# Altium PCB M5_Display.PcbDoc (part 2 of 2) (continued)
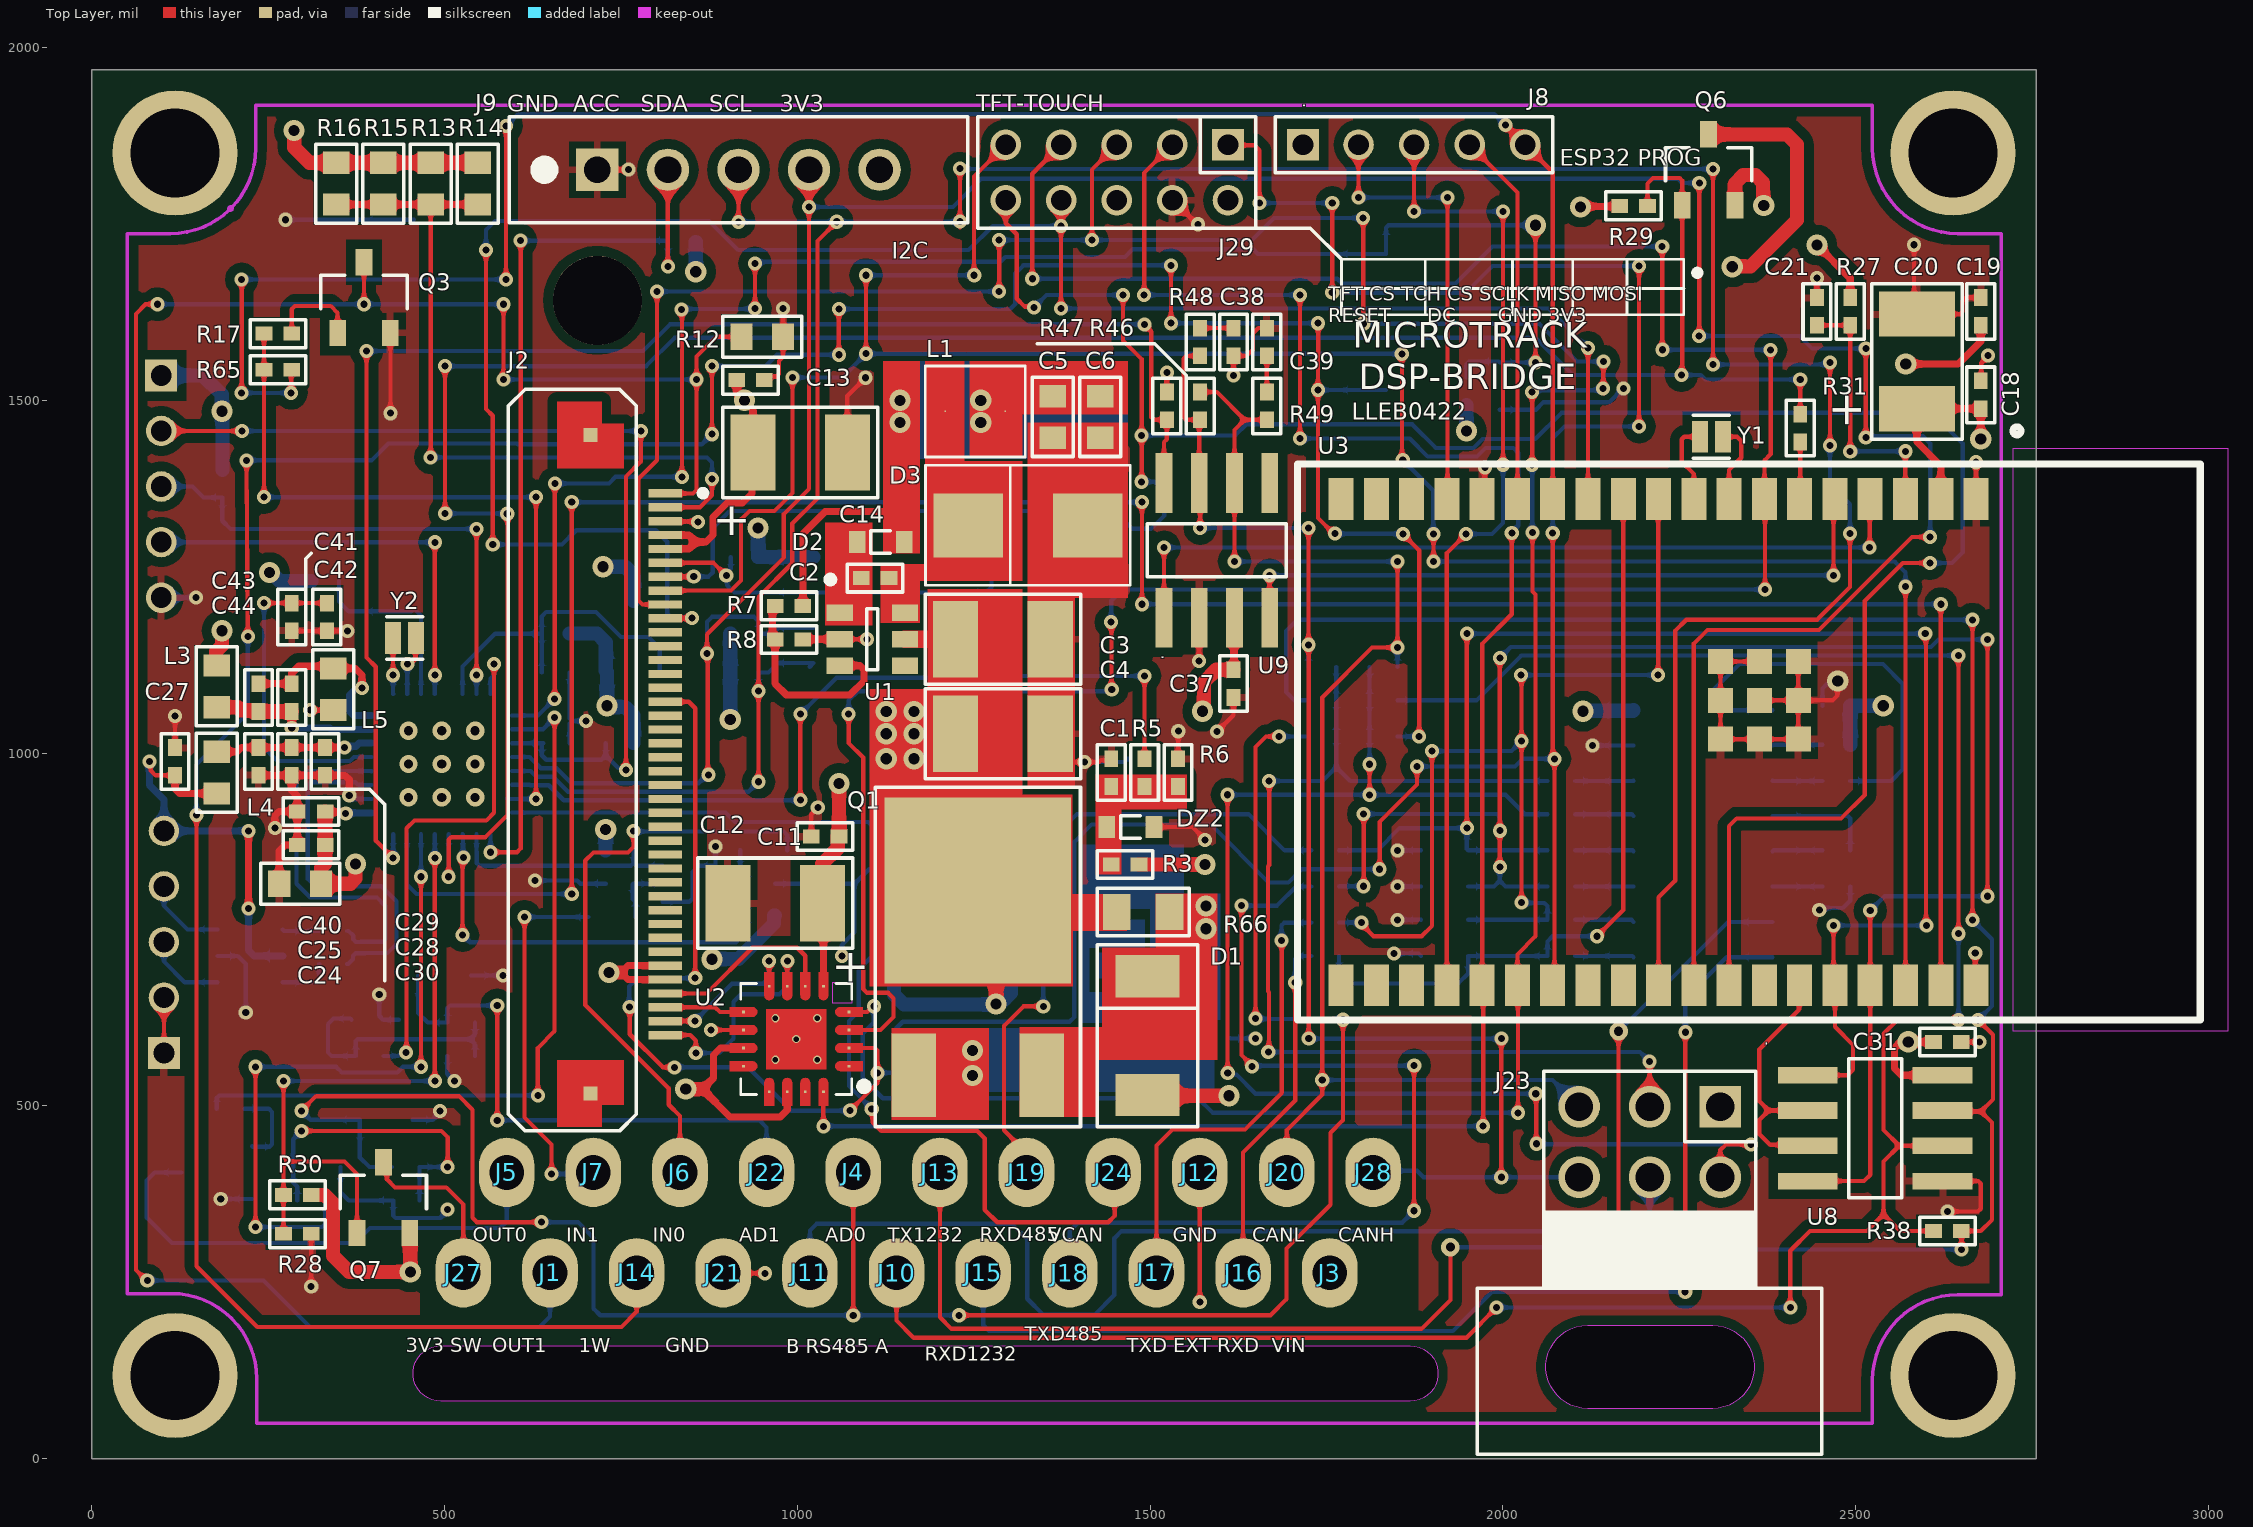
[diagram p0: Top Layer view]
## Nets (pads, with @x,y where several pads share a name; then routed paths per layer and width w, separated by ;. In a path a pad name is that pad's centre, name@x,y a point inside that pad or via, vN(x,y) a via of type N, cw(c..) or ccw(c..) an arc to the next point about the centre after c; other vN are vias at no path point) (continued)
  Bottom Layer w6: R53.2@2102.36,913.39 2182.48,913.39 U7.13@2185.04,910.83
RXD1_232: J15.1 U7.8 | length 1660.1
  Top Layer w6: v1(2258.24,236.66) 2258.34,236.76 2258.34,604.32 v1(2258.45,604.42)
  Bottom Layer w6: J15.1@1263.37,264.82 J15.1@1263.37,263.58 1263.37,189.39 1271.65,181.1 1928.97,181.1 1984.53,236.66 v1(2258.24,236.66) ; v1(2258.45,604.42) 2258.45,652.15 2317.13,710.83 U7.8@2381.89,710.83
RXD485_EXT: J19.1 R43.1 | length 942
  Top Layer w6: J19.1@1324.78,405.82 1324.78,433.45 1292.7,465.52 1292.7,613.55 1320.33,641.17 1348.25,641.17 v1(1348.54,640.88)
  Bottom Layer w6: J19.1@1322.71,401.46 J19.1@1326.22,397.95 ; J19.1@1322.71,407.89 J19.1@1324.78,405.82 ; v1(1348.54,640.88) 1348.54,865.78 1396.26,913.5 1639.3,913.5 1690.6,862.2 R43.1@1728.35,862.2
RXD_485: DZ7.2 R37.1 R43.2 U3.34 U8.1 | length 2097.2
  Top Layer w6: v1(1948.82,893.7) v1(1948.82,1169.29) v1@1948.82,1173.23 ; U8.1@2432.09,543.5 2488.39,543.5 2496.06,551.18 2496.06,586.61 2470.47,612.2 U3.34@2470.47,671.26 2468.5,673.23 v1(2468.5,755.91) ; v1(2598.43,1169.29) 2599.34,1168.38 2599.34,756.82 v1(2600.26,755.91)
  Bottom Layer w6: R43.2@1767.72,862.2 1821.98,862.2 1853.48,893.7 v1(1948.82,893.7) 1948.82,864.17 DZ7.2@1950.79,862.2 R37.1@2062.99,862.2 ; v1(1948.82,1169.29) v1(2598.43,1169.29) ; v1(2468.5,755.91) 2506.08,755.91 2506.32,755.67 2549.93,755.67 2550.17,755.91 v1(2600.26,755.91)
RXD_EXT: J16.1 R45.1 | length 500.1
  Top Layer w6: J16.1@1631.7,263.58 1631.7,433.9 1705.56,507.77 v1(1705.56,674.82)
  Bottom Layer w6: v1(1705.56,674.82) 1705.41,674.98 1705.41,708.37 1709.63,712.6 R45.1@1728.35,712.6
RXD_TTL1: DZ9.2 R41.1 R45.2 U3.11 | length 1087.5
  Top Layer w6: v1(2133.31,740.46) 2170.47,777.63 U3.11@2170.47,1360.24
  Bottom Layer w6: R45.2@1767.72,712.6 1767.72,684.8 1778.98,673.54 1936.46,673.54 1950.79,687.86 DZ9.2@1950.79,712.6 R41.1@2062.99,712.6 2062.99,733.14 2070.32,740.46 v1(2133.31,740.46)
SERIE_A: J23.2 R50.1 R51.1 R53.1 R54.1 | length 1950.1
  Top Layer w6: v1(1609.61,941) 1609.76,940.84 1609.76,547.02 v1(1609.92,546.86) ; v1(1811.02,940.94) v1(1811.02,984.25) ; v1(2046.45,517.25) 2047.05,516.65 2047.05,447.01 v1(2047.65,446.41) ; J23.2@2307.91,399 2307.91,437.42 2315.95,445.46 2351.27,445.46 v1(2351.49,445.24)
  Bottom Layer w6: v1(1609.61,941) 1609.68,940.93 v1(1811.02,940.94) ; v1(1609.92,546.86) 1612.46,544.32 1622.25,544.32 1649.31,517.27 v1(2046.45,517.25) ; v1(1811.02,940.94) 2003.7,940.94 2031.26,913.39 R53.1@2062.99,913.39 ; v1(1811.02,984.25) R54.1@1811.02,1023.62 R50.1@1811.02,1074.8 R51.1@1811.02,1122.05 ; v1(2047.65,446.41) 2048.24,445.83 2350.91,445.83 v1(2351.49,445.24)
SERIE_B: J23.3 R56.1 R58.1 R59.1 R60.1 | length 1548.8
  Top Layer w6: v1(1667.39,576.32) 1668.37,577.29 1668.37,661.22 1667.09,662.5 1667.09,839.75 1668.84,841.49 1668.84,960.06 v1(1668.37,960.53) ; J23.3@2207.91,499 v1(2207.91,562.99)
  Bottom Layer w6: v1(1667.39,576.32) 2194.36,576.32 2207.69,562.99 v1(2207.91,562.99) ; v1(1668.37,960.53) 1668.47,960.63 1744.09,960.63 1763.78,980.31 ; R58.1@1763.78,1122.05 R56.1@1763.78,1074.8 R60.1@1763.78,1023.62 1763.78,980.31 ; R59.1@2062.99,960.63 1783.46,960.63 1763.78,980.31
STMPE_CS: J29.7 U2.3 U3.7 | length 3769.6
  Top Layer w6: v1(1072.73,1055.6) 1072.73,1014.34 1093.36,993.71 1093.36,665.56 1098.63,660.29 1128.78,660.29 1136.38,652.69 1136.38,625.97 1118.01,607.59 U2.3@1073.27,607.59 ; v1(1332.95,1672.28) 1332.95,1821.14 J29.7@1374.02,1862.2 ; v1@1444.88,1185.52 1445.16,1185.25 1445.16,1090.35 v1(1445.56,1089.94) ; v1(2225.81,1571.67) v1@2225.81,1717.87 ; v1(2371.47,1231.85) 2371.47,1359.24 U3.7@2370.47,1360.24 2370.47,1414.97 2379.46,1423.95 v1@2379.46,1571.53
  Bottom Layer w6: v1(1072.73,1055.6) 1072.73,1074.61 1085.86,1087.74 1443.36,1087.74 v1(1445.56,1089.94) ; v1(1332.95,1672.28) 1765.23,1672.28 1771.89,1665.62 1932.73,1665.62 1985.11,1718 v1(2225.68,1718) ; v1(1444.75,1185.66) 1444.75,1216.01 1460.59,1231.85 v1(2371.47,1231.85) ; v1@2225.94,1571.53 v1(2379.32,1571.53)
TCK: J26.4 U4.12 | length 602.8
  Top Layer w6: v1(486.22,1110.42) v1(486.22,1298.82)
  Bottom Layer w6: J26.4@98.43,1299.13 98.58,1298.97 486.07,1298.97 v1(486.22,1298.82) ; U4.12@486.22,1083.99 v1(486.22,1110.42)
TFT_CS: J2.8 J29.9 U3.36 | length 3371.3
  Top Layer w6: J2.8@812.99,1230.31 905.99,1230.31 920.14,1244.47 920.14,1331.3 932.05,1343.2 967.67,1343.2 993.19,1368.73 v1@993.19,1532.13 ; v1(1097.24,1677.26) 1097.37,1677.13 v1(1097.37,1566.05) ; v1(1250.63,1677.26) 1250.33,1677.56 1250.33,1817.26 J29.9@1295.28,1862.2 ; v1@1856.73,1565.92 1856.73,1416.37 v1(1857.93,1415.17) ; v1(1901.47,1271.63) v1@1901.47,1310.19 ; U3.36@2570.47,671.26 v1@2570.47,1235.73
  Bottom Layer w6: v1(993.06,1532.26) 1063.59,1532.26 v1(1097.37,1566.05) ; v1(1097.24,1677.26) v1(1250.63,1677.26) ; v1@1097.51,1565.92 1852.66,1565.92 v1@1856.6,1561.98 ; v1@1858.06,1415.04 1901.34,1371.76 v1(1901.34,1310.67) ; v1(1901.47,1271.63) 1901.61,1271.49 2555.07,1271.49 2570.34,1256.23 v1(2570.34,1235.86)
  other v1: 1856.6,1565.92
TFT_DC: J2.10 J29.8 U3.12 | length 2878.7
  Top Layer w6: v1@558.84,1712.93 558.84,1487.71 568.31,1478.23 v1(568.31,1295.65) ; J2.10@812.99,1190.94 813.28,1191.23 850.48,1191.23 v1(850.77,1191.52) ; v1(1373.47,1630.23) 1373.74,1630.5 1373.74,1783.19 J29.8@1374.02,1783.46 ; U3.12@2120.47,1360.24 v1(2120.47,1574.08)
  Bottom Layer w6: v1(558.7,1713.06) 558.7,1741.63 571.39,1754.32 874.73,1754.32 916.12,1712.93 1242.71,1712.93 1276.82,1747.04 v1(1373.61,1747.04) ; v1(568.31,1295.65) 666.33,1295.65 686.57,1315.89 799.23,1315.89 815.65,1299.47 815.65,1197.88 822.01,1191.52 v1(850.77,1191.52) ; v1(1373.47,1630.23) 2064.33,1630.23 v1(2120.47,1574.08)
TFT_MISO: J29.3 U2.16 U3.24 | length 2941.6
  Top Layer w6: U2.16@1036.85,519.99 1036.85,471.41 v1(1037.1,471.17) ; v1(1491.49,1649.36) 1491.49,1822.2 J29.3@1531.5,1862.2 ; v1(1712.32,1445.75) v1(1712.32,1649.36) ; v1(1971.92,471.29) 1971.92,669.81 U3.24@1970.47,671.26 1970.47,1154.87 2012.5,1196.89 v1(2012.5,1311.89)
  Bottom Layer w6: v1(1037.1,471.17) 1037.22,471.29 v1(1971.92,471.29) ; v1(1491.49,1649.36) v1(1712.32,1649.36) ; v1(1712.32,1445.75) 1867.96,1445.75 1893.28,1420.43 1963.26,1420.43 1975.42,1432.59 2014.68,1432.59 2021.64,1425.63 2021.64,1322.4 2012.5,1313.25 v1(2012.5,1311.89)
TFT_MOSI: J2.16 J29.1 U2.2 U3.26 | length 4487.8
  Top Layer w6: v1(762.39,639.97) 762.39,601.69 809.34,554.74 v1(825.82,554.74) ; J2.16@812.99,1072.83 846.06,1072.83 855.22,1063.68 v1(855.22,681.08) ; U2.2@1073.27,582 1110.09,582 1113.61,578.49 v1(1113.61,546.92) 1113.39,546.7 1113.39,532.27 v1(1074.45,493.34) ; J29.1@1610.24,1862.2 1610.91,1861.53 1647.72,1861.53 1654.86,1854.39 v1(1654.86,1779.61) ; v1(1758.05,1652.59) v1(1758.05,1779.61) ; v1(1825.22,835.47) 1825.22,902.51 1878.14,955.43 v1(1878.14,981.17) ; U3.26@2070.47,671.26 2072.89,673.68 v1(2072.89,991.89) ; v1@2070.47,991.89 v1(2070.47,1311.89) ; v1@2192.92,1460.17 v1(2192.92,1463.02) v1(2192.92,1690.29)
  Bottom Layer w6: v1(762.39,639.97) 761.6,640.76 761.6,669.1 773.59,681.08 v1(855.22,681.08) ; v1(825.82,554.74) 929.88,554.74 991.29,493.34 v1(1074.45,493.34) ; v1(1113.61,546.92) 1134.72,546.92 1140.08,552.28 1140.08,610.05 1149.32,619.29 1385.69,619.29 1392.57,626.17 1392.57,874.25 1417.09,898.76 1586,898.76 1667.92,816.84 1695.84,816.84 1714.47,835.47 v1(1825.22,835.47) ; v1(1654.86,1779.61) v1(1758.05,1779.61) ; v1(1758.05,1652.59) 1947.58,1652.59 1985.28,1690.29 v1(2192.92,1690.29) ; v1(1878.14,981.17) 2017.17,981.17 2027.89,991.89 v1(2072.89,991.89) 2070.47,994.31 v1@2070.47,999.76 ; v1(2070.47,1311.89) 2070.47,1446.46 2087.03,1463.02 v1(2192.92,1463.02)
TFT_RESET: J2.7 J29.10 U3.31 | length 3716.8
  Top Layer w6: J2.7@812.99,1250 v1@853.31,1250 ; J29.10@1295.28,1783.46 1295.28,1750.92 1310.85,1735.35 1310.85,1644.01 1321.88,1632.98 1334.27,1632.98 v1(1335.51,1631.74) ; v1(1461.67,1649.36) 1461.67,1584.86 1487.97,1558.55 v1(1487.97,1384.54) ; U3.31@2320.47,671.26 2320.47,896.52 2331.16,907.21 2479.2,907.21 2512.75,940.76 2512.75,1215.55 2566.55,1269.36 v1(2605.37,1269.36)
  Bottom Layer w6: v1(853.18,1250.13) 874.2,1250.13 880.17,1256.11 880.17,1319.23 904.15,1343.2 1449.75,1343.2 1475.09,1317.87 1501.06,1317.87 1520.1,1336.9 1520.1,1370.82 1506.38,1384.54 v1(1487.97,1384.54) ; v1(1335.51,1631.74) 1353,1649.23 v1@1465.74,1649.23 ; v1(1487.84,1450) 1620.46,1450 1636.48,1466.01 1871.27,1466.01 1904.86,1432.43 1958.28,1432.43 1970.98,1445.12 2045.66,1445.12 2082.8,1482.26 2608.06,1482.26 2651.46,1438.86 2651.46,1284.4 2636.41,1269.36 v1(2605.37,1269.36)
TFT_SCLK: J2.9 J29.5 U2.4 U3.25 | length 4520.1
  Top Layer w6: v1(801.06,1654.19) 801.06,1415.1 774.73,1388.77 774.73,1216.53 780.63,1210.63 J2.9@812.99,1210.63 ; U2.4@1073.27,633.18 1098.99,633.18 1107.1,641.29 v1(1108.35,641.29) ; v1@1286.04,1654.19 v1(1286.04,1726.97) ; v1(1417.45,1727.06) 1417.45,1826.9 J29.5@1452.76,1862.2 ; v1@1801.96,1604.57 v1(1801.96,1608.51) v1@1801.96,1758.35 ; v1(2021.13,490.3) 2021.13,670.61 U3.25@2020.47,671.26 2020.47,714.8 2046.27,740.59 2046.27,1224.75 2041.88,1229.13 v1(2041.88,1312.74) ; v1(2041.35,1408.73) v1@2041.35,1511.78 ; v1(2141.81,1516.85) 2142.27,1517.31 2142.27,1554.39 v1(2142.73,1554.85) ; v1@2142.75,1509.79 v1@2142.75,1516.85
  Bottom Layer w6: v1(801.06,1654.19) v1@1286.04,1654.19 ; v1(1108.35,641.29) 1108.35,618.2 1092.69,602.55 1092.69,539.3 1121,510.99 1568.04,510.99 1588.55,490.48 2020.95,490.48 v1(2021.13,490.3) ; v1@1286.39,1727.06 v1(1417.45,1727.06) 1644.09,1727.06 1675.39,1758.35 v1(1801.83,1758.35) ; v1@1802.1,1608.38 2051.51,1608.38 2105.04,1554.85 v1(2142.73,1554.85) ; v1(2041.22,1511.78) 2043.75,1514.32 2139.27,1514.32 v1(2141.81,1516.85) ; v1(2041.35,1408.73) 2041.61,1408.46 2041.61,1313 v1(2041.88,1312.74)
  other v1: 1285.9,1654.33
TMS: J26.3 R63.1 U4.15 | length 724.8
  Top Layer w6: v1(545.28,1110.42) v1(545.28,1317.82)
  Bottom Layer w6: J26.3@98.43,1377.87 142.8,1377.87 158.46,1362.2 R63.1@185.04,1362.2 185.04,1329.33 196.55,1317.82 v1(545.28,1317.82) ; U4.15@545.28,1083.99 v1(545.28,1110.42)
TXCAN0: U3.4 U9.1 | length 1172.6
  Top Layer w6: U9.1@1519.49,1191.93 v1@1519.49,1291.34 ; v1@2519.69,1287.4 v1(2519.69,1291.34) 2519.69,1359.45 U3.4@2520.47,1360.24
  Bottom Layer w6: v1(1519.69,1291.34) v1(2519.69,1291.34)
TXD0_232: R59.2 U7.14 | length 82.8
  Bottom Layer w6: R59.2@2102.36,960.63 2184.84,960.63 U7.14@2185.04,960.83
TXD1_232: J13.1 U7.7 | length 1854
  Top Layer w6: J13.1@1202.02,405.82 1202.02,200.54 1218.48,184.08 1884.67,184.08 1925.5,224.91 v5(1925.5,299.92) ; v5(2163.86,299.89) v5(2163.86,605.73)
  Bottom Layer w6: v5(1925.5,299.92) v5(2163.86,299.89) ; v5(2163.86,605.73) 2163.93,605.73 2319.03,760.83 U7.7@2381.89,760.83
TXD485_EXT: J18.1 R42.1 | length 1339.9
  Top Layer w6: v1(1629.51,783.87) 1629.51,572.21 1644.1,557.62 v1(1644.1,555.69) ; v1@1873.98,557.24 1873.98,351.51 v1(1874.04,351.46)
  Bottom Layer w6: J18.1@1386.15,263.58 1386.15,323.03 1397.66,334.55 1857.12,334.55 v1(1874.04,351.46) ; v1(1629.51,783.87) 1679.84,783.87 1706.99,811.02 R42.1@1728.35,811.02 ; v1(1644.1,555.69) 1645.54,557.12 1874.07,557.12 v1(1874.19,557.24)
TXD_485: DZ8.2 R39.2 R42.2 U3.35 U8.4 | length 2491.2
  Top Layer w6: v1(1802.6,811.33) v1@1802.6,911.88 ; v1(1995.52,838.89) v1(1995.52,890.07) v1(1995.52,1134.75) ; U8.4@2432.09,393.5 2511.61,393.5 2520.47,402.36 U3.35@2520.47,671.26 v1(2520.47,776.85) ; v1(2686.56,797.19) v1(2686.56,1161.04)
  Bottom Layer w6: R42.2@1767.72,811.02 1768.02,811.33 v1(1802.6,811.33) ; v1(1802.6,913.69) 1991.58,913.69 1995.52,909.76 v1(1995.52,890.07) ; DZ8.2@1950.79,811.02 1987.33,811.02 1995.52,819.21 ; v1(1995.52,838.89) 1995.52,819.21 ; v1(1995.52,1134.75) 2011.06,1150.29 2572.81,1150.29 2606.61,1150.29 2617.36,1161.04 v1(2686.56,1161.04) ; R39.2@2062.99,811.02 2003.7,811.02 1995.52,819.21 ; v1(2520.47,776.85) 2540.81,797.19 v1(2686.56,797.19)
TXD_EXT: J17.1 R44.1 | length 682.8
  Top Layer w6: J17.1@1508.94,263.58 1508.94,444.04 1531.42,466.51 1634.31,466.51 1686.39,518.59 v1(1686.39,734.66)
  Bottom Layer w6: J17.1@1508.94,263.58 J17.1@1517.79,272.43 ; v1(1686.39,734.66) 1686.09,734.95 1686.09,755.99 1689.61,759.51 1727.66,759.51 1728.17,760.02 R44.1@1728.35,759.84
TXD_TTL1: DZ10.2 R40.1 R44.2 U3.10 | length 1464.7
  Top Layer w6: v1@1799.74,757.3 1816.53,740.5 1884.73,740.5 1899.48,755.26 v1(1899.48,1002.85) ; v1(2025.76,1110.54) 2026.39,1109.92 v1(2026.39,1017.18) v1(2026.39,788.33) ; v1(2219.93,1110.54) 2219.93,1359.69 U3.10@2220.47,1360.24
  Bottom Layer w6: R44.2@1767.72,759.84 v1(1799.74,759.84) ; v1@1897.71,1004.62 v1(1899.48,1002.85) 2012.06,1002.85 v1(2026.39,1017.18) ; DZ10.2@1950.79,763.78 R40.1@2062.99,763.78 2062.99,783.22 2058.51,787.71 2027.01,787.71 v1(2026.39,788.33) ; v1(2025.76,1110.54) v1(2219.93,1110.54)
USB_D_MCU_N: D5.3 J25.4 | length 117.2
  Bottom Layer w6: J25.4@102.36,811.02 102.36,783.46 135.83,750 D5.3@178.15,750
USB_D_MCU_P: D5.1 J25.3 | length 115.6
  Bottom Layer w6: J25.3@102.36,732.28 102.36,704.72 131.89,675.2 D5.1@178.15,675.2
USB_MCU_N: R61.2 U4.4 | length 509.7
  Bottom Layer w6: R61.2@362.2,748.03 363.92,748.03 370.76,741.19 370.76,735.96 374.28,732.45 381.08,732.45 381.19,732.56 412.55,732.56 416.06,736.08 416.06,783.46 404.2,795.32 309.75,795.32 290.26,814.81 290.26,961.52 303.47,974.73 396.33,974.73 U4.4@396.65,974.41
USB_MCU_P: R36.2 U4.3 | length 511.6
  Bottom Layer w6: R36.2@361.66,701.09 363.6,701.09 370.44,707.94 370.44,712.93 373.96,716.45 387.7,716.45 387.82,716.56 419.17,716.56 432.06,729.45 432.06,790.08 410.83,811.32 316.38,811.32 306.26,821.44 306.26,954.89 310.1,958.73 373.66,958.73 377.67,954.72 U4.3@396.65,954.72
V_USB_FILTRADA_MCU: C28.1 C29.1 C30.1 L4.2 U4.6 | length 224.8
  Top Layer w10: L4.2@177.17,1001.97 205.84,1001.97 212.05,1008.18 235.91,1008.18 C28.1@236.22,1007.87 C29.1@283.46,1007.87 C30.1@330.71,1007.87 v1(358.12,1007.87)
  Bottom Layer w10: v1(358.12,1007.87) 360.04,1009.79 374.56,1009.79 378.88,1014.1 U4.6@396.65,1014.1
V_USB_MCU: C27.1 D5.5 J25.5 L4.1 | length 580.9
  Top Layer w6: v1(81.59,988.19) 83.66,986.12 83.66,975.39 90.55,968.5 116.14,968.5 C27.1@118.11,966.54 ; L4.1@175.41,941.16 L4.1@177.17,942.91
  Top Layer w10: C27.1@118.11,966.54 118.11,949.55 124.75,942.91 L4.1@177.17,942.91 ; v1(222.26,779.92) v1(222.26,889.76)
  Bottom Layer w10: v1(81.59,988.19) 81.59,954.69 102.36,933.92 J25.5@102.36,889.76 v1(222.26,889.76) ; v1(222.26,779.92) 222.26,720.55 230.22,712.6 D5.5@270.67,712.6
VCC_CAN: J24.1 Q8.2 | length 905.9
  Top Layer w6: v1(1105.4,495.93) 1106.67,494.66 1106.67,476.93 1118.76,464.84 1254.41,464.84 1265.55,453.7 1265.55,352.78 1283.25,335.09 1440.53,335.09 1449.7,344.26 1449.7,403.69 J24.1@1447.58,405.82
  Bottom Layer w6: v1(1105.4,495.93) 1073.08,528.25 1073.08,620.41 1087,634.32 1087,693.21 1122.57,728.78 1159.58,728.78 1172.68,741.89 Q8.2@1172.68,778.85
VDDA: C43.1 C44.1 L3.1 U4.7 | length 247.1
  Top Layer w10: v1(283.46,1035.68) C43.1@283.46,1059.06
  Top Layer w20: L3.1@177.17,1064.96 206.92,1064.96 211.17,1060.71 236.22,1060.71 C44.1@236.22,1059.06 C43.1@283.46,1059.06
  Bottom Layer w10: v1(283.46,1035.68) 337.4,1035.68 339.3,1033.79 U4.7@396.65,1033.79
VIN: D1.1 J3.1 J23.1 R3.2 | length 2520.5
  Top Layer w20: R3.2@1484.25,842.28 1484.34,842.2 1577.47,842.2 v2(1577.55,842.11) ; D1.1@1496.33,515.61 1497.47,514.48 v2(1611.9,514.48)
  PWRS w20: v2(1611.9,514.48) 1553.24,514.48 1529.14,538.58 1529.14,830.39 1540.85,842.11 1632.34,842.11 1800.58,673.86 2266.71,673.86 2307.91,632.66 J23.1@2307.91,499 2310.26,496.65 2377.09,496.65 2402.22,471.52 2402.22,329.89 2335.91,263.58 J3.1@1754.48,263.58
VIN_EXT: D1.2 Q1.3 Q2.3 R1.2 R66.1 | length 310.2
  Bottom Layer w20: R1.2@1433.07,700.79 1474.36,700.79 1480.18,694.96 1543.17,694.96 1536.61,688.4 1536.61,670.47 ; Q2.3@1513.78,640.75 1515.59,642.56 1515.59,649.45 1536.61,670.47 ; v2@1573.2,751.05 v2@1573.2,783.52 ; v2@1578.59,747.89 v2@1579.04,748.34 ; v2(1579.04,751.05) 1578.59,750.6 1578.59,712.45 1536.61,670.47
  other v2: 1579.04,783.52
VIN_PROT: C3.1 C4.1 Q1.2 Q8.3 R52.2 R55.2 R66.2 U1.5 | length 636.2
  Top Layer w20: Q1.2@1255.91,805.12 1281.65,779.37 v2(1281.65,644.5)
  Bottom Layer w20: Q8.3@1135.28,678.46 1137.09,676.65 1137.09,657.69 1151.03,643.76 1280.9,643.76 v2(1281.65,644.5) ; v2(1165.35,992.13) 1294.82,992.13 1306.54,980.41 R55.2@1306.54,913.69 ; v2@1282.4,643.76 1282.92,643.24 1284.83,645.15 1287.8,645.15 1302.6,659.95 R52.2@1302.6,712.6
  other v2: 1125.98,992.13 1125.98,1027.56 1165.35,1027.56 1125.98,1058.92 1165.35,1058.92
VSSA: C43.2 C44.2 L5.1 U4.8 | length 273.9
  Top Layer w10: C44.2@236.22,1098.43 C43.2@283.46,1098.43 ; C43.2@287.5,1102.46 C43.2@283.46,1098.43 ; v1(382.96,1092.04) 382.96,1110.94 373.82,1120.08 L5.1@342.52,1120.08 339.48,1123.12 293.35,1123.12 283.46,1113.23 283.46,1102.46 C43.2@283.46,1098.43
  Bottom Layer w10: v1(382.96,1092.04) 381.04,1090.12 372.84,1090.12 365.32,1082.6 365.32,1059.33 371.18,1053.47 U4.8@396.65,1053.47
X+: J2.37 U2.6 | length 273.1
  Top Layer w6: J2.37@812.99,659.45 871.19,659.45 936.03,724.28 999.89,724.28 1011.26,712.91 U2.6@1011.26,669.6
X-: J2.39 U2.8 | length 231.7
  Top Layer w6: J2.39@812.99,620.08 813.31,620.4 v1(854.64,620.4) ; v1(959.94,705.28) 960.08,705.14 U2.8@960.08,669.6
  Bottom Layer w6: v1(854.64,620.4) 907.45,673.21 951.35,673.21 959.94,681.79 v1(959.94,705.28)
Y+: J2.40 U2.7 | length 334.8
  Top Layer w6: J2.40@812.99,600.39 848.18,600.39 856.06,592.52 v1(856.06,575.11) ; U2.7@985.67,669.6 985.67,705.02 v1(985.94,705.28)
  Bottom Layer w6: v1(856.06,575.11) 889.22,575.11 909.45,595.34 909.45,647.7 920.15,658.4 974.54,658.4 985.94,669.8 v1(985.94,705.28)
Y-: J2.38 U2.9 | length 113.4
  Top Layer w6: J2.38@812.99,639.76 883.62,639.76 890.2,633.18 U2.9@923.67,633.18
pads on no net: J2.11 J2.12 J2.13 J2.14 J2.15 J2.17 J2.18 J2.19 J2.20 J2.21 J2.22 J2.23 J2.24 J2.25 J2.26 J2.27 J2.28 J2.29 J2.30 J2.31 J2.32 J2.33 J2.34 J29.6 U1.4 U2.1 U2.12 U2.13 U2.15 U3.17 U3.18 U3.19 U3.20 U3.21 U3.22 U3.27 U3.28 U3.32 U4.13 U4.za U9.5
copper on no net:
  other v3: 448.82,937.33 496.06,937.33 543.31,937.33 448.82,984.58 496.06,984.58 543.31,984.58 448.82,1031.82 496.06,1031.82 543.31,1031.82
  other v4: 968.94,565.27 1028,565.27 998.47,594.8 968.94,624.32 1028,624.32

## Polygon pours and split planes (outlines as drawn)
3V3 on PWRS "3V3_P1" (solid, remove dead copper, pour order 1022): 2345.91,1823.14 2389.22,1823.14 2389.22,1760.15 2176.62,1760.15 2176.62,1665.66 1633.86,1665.66 1633.86,1453.06 1239.61,1453.06 1239.61,1744.4 1570.32,1744.4 1570.32,1823.14 1668.74,1823.14 1668.74,1764.09 2062.45,1764.09 2062.45,1803.46 2345.91,1803.46
VIN on PWRS "VIN" (solid, remove dead copper, pour order 1044): 1425.2,787.4 1425.2,177.17 2421.26,177.17 2421.26,787.4
3V3_PERI on PWRS "3V3_PERI" (solid, remove dead copper, pour order 1040): 874.02,476.38 1397.64,476.38 1397.64,811.02 2480.31,811.02 2480.31,177.17 2678.17,177.17 2678.17,1212.91 2491.58,1212.91 2491.58,1626.29 2416.78,1626.29 2416.78,1705.03 2298.67,1705.03 2298.67,1492.43 1924.65,1492.43 1924.65,1196.85 1215.99,1196.85 1215.99,925.2 707.63,925.2 707.63,811.02 874.02,811.02
3V3 on PWRS "3V3_P2" (solid, remove dead copper, pour order 1042): 34.89,858.58 176.62,858.58 176.62,169.6 519.14,169.6 519.14,476.69 869.53,476.69 869.53,649.91 846.46,649.91 846.46,941.25 1196.3,941.25 1196.3,1342.52 782.92,1342.52 782.92,1134.17 231.74,1134.17 231.74,1449.13 1156.93,1449.13 1156.93,1567.24 586.07,1567.24 586.07,1941.25 34.89,1941.25
3V3_ESP on PWRS "3V3_ESP" (solid, remove dead copper, pour order 1046): 251.42,1153.85 763.23,1153.85 763.23,1350.39 1216.54,1350.39 1216.54,1220.47 1904.26,1220.47 1904.26,1370.39 2278.98,1370.39 2278.98,1705.03 2425.9,1705.03 2515.2,1615.73 2515.2,1236.53 2719.93,1236.53 2719.93,1941.25 605.75,1941.25 605.75,1586.92 1156.93,1586.92 1156.93,1429.44 251.42,1429.44
GND on Bottom Layer "GND_BOT" (solid, remove dead copper, pour order 1027): 51.18,1917.32 2704.72,1917.32 2704.72,51.18 51.18,51.18
GND on Top Layer "GND_L01_P1047" (solid, remove dead copper, pour order 1047): 51.18,1917.32 2704.72,1917.32 2704.72,51.18 51.18,51.18
GND on GND (split plane): 2735.81,20.1 20.1,20.1 20.1,1948.41 2735.77,1948.41

## Keep-outs
Keep-Out Layer:
  region: 3027.45,1432.43 3027.45,605.65 2723.51,605.65 2723.51,1432.43
  lines w5: 50,234.13 50,1736.25 111.45,1736.25 ccw(c111.45,1856.96) 196.8,1771.61 ; 51.48,234.13 112.93,234.13 cw(c112.93,113.42) 198.28,198.78 ; 196.93,1771.73 ccw(c111.57,1857.09) 232.28,1857.09 232.28,1918.5 2523.62,1918.5 2523.62,1857.09 ccw(c2644.33,1857.09) 2558.98,1771.73 ; 198.41,198.65 cw(c113.05,113.3) 233.76,113.3 233.76,51.88 ; 233.76,50 595.87,50 2523.65,50 2523.65,111.45 cw(c2644.36,111.45) 2559.01,196.8 ; 2559.1,1771.61 ccw(c2644.46,1856.96) 2644.46,1736.25 2705.91,1736.25 ; 2559.13,196.93 cw(c2644.49,111.57) 2644.49,232.28 2705.91,232.28 ; 2705.91,232.28 2705.91,1736.25
  lines w10: 196.8,1771.61 196.93,1771.73

## Other copper
Top Layer:
  region net NetC2_1: 1039.37,1181.1 1106.3,1181.1 1106.3,1326.77 1039.37,1326.77
  region net NetC2_2: 1173.23,1244.09 1318.9,1244.09 1318.9,1413.39 1236.22,1413.39 1236.22,1555.12 1181.1,1555.12 1181.1,1267.72 1118.11,1267.72 1118.11,1185.04 1173.23,1185.04 1118.11,1185.04 1173.23,1185.04
  region net 3V3: 1244.09,1555.12 1244.09,1421.26 1318.9,1421.26 1318.9,1480.32 1468.5,1480.32 1468.5,1555.12
  region net NetQ1_1: 1133.86,610.24 1271.11,610.24 1271.11,480.32 1133.86,480.32
  region net 3V3: 1122.05,1283.46 1122.05,1555.12 1173.23,1555.12 1173.23,1283.46
  region net VIN_PROT: 1102.36,669.29 1389.76,669.29 1389.76,940.94 1318.9,940.94 1318.9,1232.28 1185.04,1232.28 1185.04,1173.23 1149.61,1173.23 1149.61,1149.61 1185.04,1149.61 1185.04,1090.55 1102.36,1090.55
  region net VIN_PROT: 1149.61,1173.23 1149.61,1149.61 1185.04,1149.61 1185.04,1090.55 1102.36,1090.55 1102.36,669.29 1389.76,669.29 1390.12,669.65 1390.12,748.14 1467.15,748.14 1467.15,800.21 1389.76,800.21 1389.76,940.94 1318.9,940.94 1318.9,1232.28 1185.04,1232.28 1185.04,1173.23
  region net GND: 1326.77,1468.5 1468.5,1468.5 1468.5,1220.47 1393.15,1220.47 1393.15,952.76 1326.77,952.76 1326.77,1232.28
  region net VIN_EXT: 1314.83,484.34 1314.83,602.24 1314.83,611.66 1432.22,611.66 1432.22,724.06 1507.79,724.06 1507.79,800.43 1595.26,800.42 1595.26,565.74 1425.96,565.74 1425.96,484.34
  region net NetC1_2: 1459.13,828.13 1459.13,920.53 1551.61,920.53 1551.62,969.67 1423.23,969.67 1423.23,828.13
  pour cut-out: 1880.67,472.44 1880.67,267 1880.67,0 464.57,0 464.57,472.44
Bottom Layer:
  region net NetDZ1_2: 1401.57,870.08 1547.24,870.08 1547.24,724.41 1500,724.41 1500,779.53 1401.57,779.53
  region net 3V3: 1122.05,1555.12 1467.96,1555.12 1467.96,1417.32 1122.05,1417.32
  region net NetQ2_1: 1401.57,618.11 1460.63,618.11 1460.63,661.42 1413.39,661.42 1413.39,724.41 1468.5,724.41 1492.13,724.41 1492.13,763.78 1401.57,763.78
  region net NetQ1_1: 1223.86,610.24 1590.55,610.24 1590.55,519.99 1223.86,519.99
  region net VIN_PROT: 1102.36,972.44 1318.9,972.44 1318.9,1078.74 1102.36,1078.74
  region net VIN_PROT: 1287.4,903.73 1287.4,972.44 1318.9,972.44 1318.9,903.73
  pour cut-out: 1161.26,1299.5 1265.91,1299.5 1265.91,1130.49 1161.26,1130.49
  region net VIN_EXT: 1599.43,621.98 1501.79,621.98 1501.79,680.98 1423.33,680.98 1423.33,716.8 1561.61,716.8 1561.61,800.46 1599.43,800.46
  pour cut-out: 641.26,448.48 1743.62,448.48 1743.62,320.53 1812.52,320.53 1812.52,5.57 592.04,5.57 592.04,310.69 641.26,310.69

## Silkscreen, mask and mechanical layers (free items; w line width, h text height)
Top Overlay:
  circle w10: c2275.44,1680.69 r3.65
  lines w3.94: 1771.48,1658.66 2256.48,1658.66 ; 1889.99,1621.17 1889.99,1699.84 ; 2013.67,1621.17 2013.67,1699.84 ; 2098.75,1621.17 2098.75,1699.84 ; 2175.91,1621.17 2175.91,1699.84 ; 1771.18,1621.17 2256.17,1621.17 2256.17,1699.84 1771.18,1699.84 1771.18,1621.17
  lines w5: 303.15,1232.28 303.15,1275.59 311.02,1283.46 ; 350.39,948.82 393.7,948.82 415.24,927.28 415.24,677.17 ; 1339.85,1579.97 1506.65,1579.97 1551.18,1535.43 1551.18,1531.5 ; 1649.61,1744.09 1726.92,1744.09 1771.18,1699.84
  text "GND  ACC   SDA   SCL    3V3" at 589.06,1901.51 h40
  text "TFT-TOUCH" at 1253.4,1901.57 h40
  text "ESP32 PROG" at 2080.63,1824.3 h40
  text "I2C" at 1133.86,1692.91 h40
  text "TFT CS TCH CS SCLK MISO MOSI / RESET      DC       GND 3V3" at 1752.51,1610.93 h20
  text "MICROTRACK" at 1787.4,1574.8 h36
  text "DSP-BRIDGE" at 1795.8,1515.75 h36
  text "LLEB0422" at 1785.4,1472.44 h24
  text "RXD485" at 1258.14,308.54 h20
  text "OUT0" at 540.19,307.85 h20
  text "IN1" at 672.41,307.85 h20
  text "IN0" at 795.18,307.85 h20
  text "AD1" at 917.96,307.85 h20
  text "AD0" at 1039.71,307.85 h20
  text "TX1232" at 1127.94,307.85 h20
  text "VCAN" at 1355.43,307.85 h20
  text "GND" at 1531.85,307.85 h20
  text "CANL" at 1644.69,307.85 h20
  text "CANH" at 1766.86,307.85 h20
  text "TXD485" at 1322.41,166.98 h20
  text "3V3 SW" at 444.73,151.12 h20
  text "OUT1" at 567.55,151.11 h20
  text "1W" at 690.32,151.11 h20
  text "GND" at 813.1,151.11 h20
  text "TXD EXT RXD" at 1466.98,150.88 h20
  text "VIN" at 1672.55,151.11 h20
  text "B RS485 A" at 984.25,149.61 h20
  text "RXD1232" at 1180.27,138.69 h20
Bottom Overlay:
  text "MK PROG" at 136.46,1173.08 h40 r90
  text "DEBUG" at 63.9,931.63 h40 r90
Mechanical 2:
  circle w7: c2657.48,468.82 r6
  lines w6: 2657.48,468.82 2899.48,468.82
  text "(0,0)" at 3020.48,451.82 h36
Mechanical 4:
  lines w5: 2755.87,1968.5 0,1968.5 0,0 2755.91,0 2755.91,1968.5 ; 494.64,81.43 cw(c494.64,120.8) 494.64,160.17 1868.65,160.17 cw(c1868.65,120.8) 1868.65,81.43 494.64,81.43 ; 2119.87,71.19 cw(c2119.87,130.24) 2119.87,189.3 2297.03,189.3 cw(c2297.03,130.24) 2297.03,71.19 2119.87,71.19

## Dimensions
2755.87,1968.5 to 2755.91,0 on Mechanical 13
2755.91,0 to 0,0 on Mechanical 13

## Text inside footprints (layer, text, board x,y; h text height)
C12: Top Overlay "+" at 1102.36,716.54 h47.24 r180
C14: Top Overlay "+" at 880.34,1308.95 h47.24
C20: Top Overlay "+" at 2507.48,1458.66 h47.24 r90